# Allegro board 1155000-zp-dic_pda_8ch_board_v002.brd (continued)
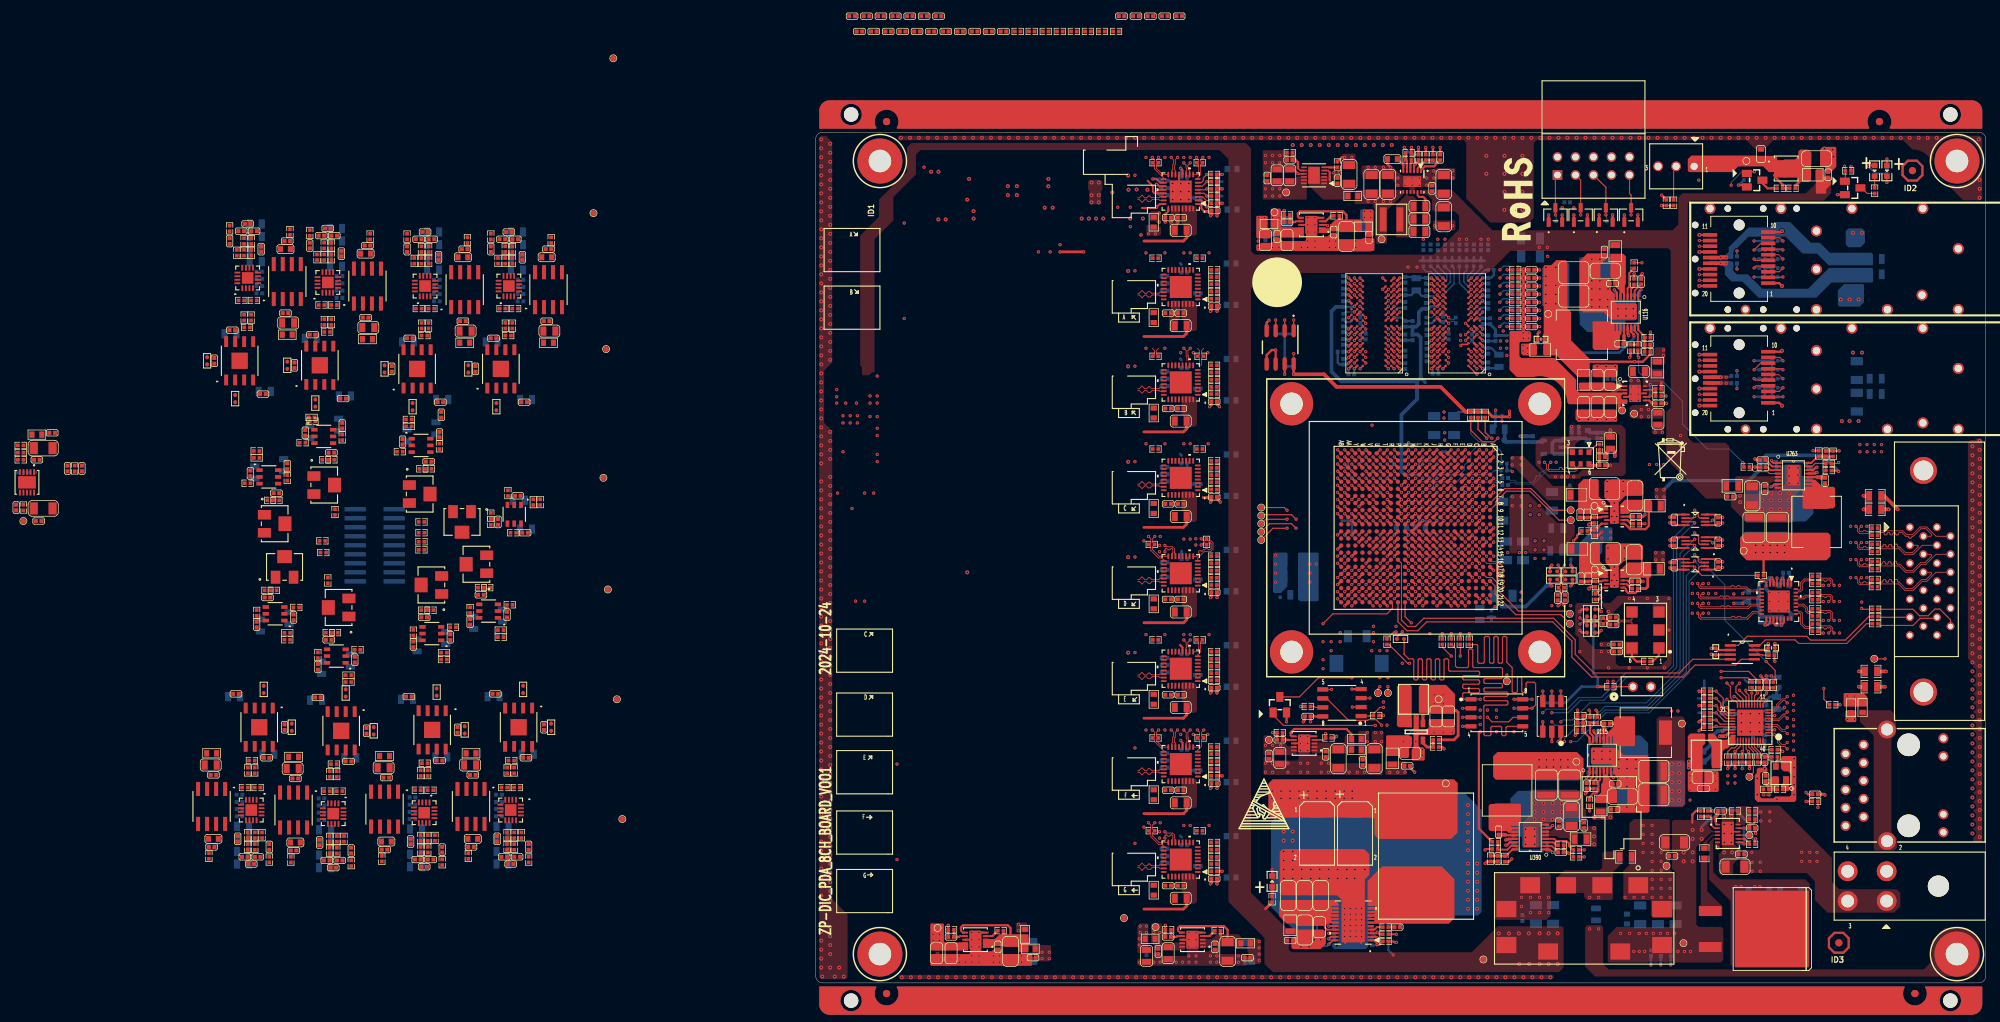
[diagram p0: board, top side]
## Routing (per net, layer and track width the routed paths; a pad name or vN(x,y) marks a point on that pad's centre or on a via; arc(x,y) is an arc through that point) (continued)
  BOTTOM w0.356: v1(137.33,57.1) 137.33,57.75 C2472.1
  BOTTOM w0.381: v1(91.6,66.19) 91.1,66.7 C438.2 ; v1(88.6,72.19) 89.07,72.66 C2482.2 ; v1(86.6,67.19) 87.07,67.66 C495.2 ; v1(136.62,38.86) 136.4,38.65 C841.2 ; v2(133.06,35.43) 133.55,34.94 C842.2 ; R2253.1 136.4,70.91 ; R3193.1 101.51,19.65 ; R1064.1 109.95,31.37 109.82,31.5 ; R3196.1 102.42,21.27 ; R1070.1 115.16,95.35 ; 52.88,29.97 C3346.1 ; v1(90.6,73.19) 90.14,72.72 C430.2 ; v2(52.62,110.49) 52.88,110.74 C3361.1 ; v1(94.6,67.19) 94.1,66.69 C440.2 ; R1080.1 137.13,72.52 ; 52.88,70.36 C3275.1
  BOTTOM w0.508: C2487.1 v1(107.62,78.49) ; C2488.2 C2489.1 v1(99.36,77.11) ; v1(134.54,55.07) 134.03,55.58 C2469.1 ; v1(137.33,57.1) 137.33,56.15 C2467.2 ; C2486.2 v1(106.6,78.49) ; v1(137.08,52.53) 137.53,52.08 C2468.2 ; C2473.1 133.54,50.86 v1(133.9,50.5) 134.27,50.86 C2470.1 ; C2485.1 v1(110.87,76.82)
  vias: v1(2.97,82.68) v1(2.97,81.79) v1(3.09,69.09) v1(3.86,80.01) v1(3.86,78.99) v1(3.86,74.93) v1(4.24,81.79) v1(4.87,80.01) v1(4.87,78.99) v1(5.13,66.93) v1(5.89,80.01) v1(5.89,78.99) v1(7.67,82.8) v1(7.67,81.79) v1(7.67,79.88) v1(8.68,85.6) v1(8.68,82.8) v1(8.68,81.79) v1(8.68,79.88) v1(8.68,78.23) v1(8.68,77.22) v1(8.68,74.55) v1(8.68,73.53) v1(15.29,115.06) v1(18.08,3.81) v1(18.08,2.92) v1(20.24,3.81) v1(20.24,2.92) v1(21.13,2.92) v1(22.02,7.11) v1(22.02,5.08) v1(22.02,3.81) v1(22.02,2.92) v1(23.03,6.1) v1(23.03,5.08) v1(23.03,3.81) v1(23.03,2.92) v1(25.07,3.81) v1(25.07,2.92) v1(25.95,3.81) v1(25.95,2.92) v1(29,3.81) v1(29,2.92) v1(33.07,103.12) v1(34.46,104.14) v1(44.37,109.42) v1(44.37,106.68) v1(45.64,2.92) v1(46.27,62.36) v1(46.27,21.97) v1(46.58,116.45) v1(46.58,102.98) v1(46.58,89.52) v1(46.58,76.06) v1(46.58,49.14) v1(46.58,35.67) v1(47.67,2.92) v1(48.49,61.71) v1(48.49,60.82) v1(48.49,21.32) v1(48.49,20.43) v1(48.56,2.92) v1(48.59,62.98) v1(48.59,22.59) v1(49.25,116.45) v1(49.25,102.98) v1(49.25,89.52) v1(49.25,76.06) v1(49.25,49.14) v1(49.25,35.67) v1(50.85,2.92) v1(51.08,107.32) v1(51.48,88.9) v1(51.48,35.05) v1(51.74,2.92) v1(51.91,116.45) v1(51.91,102.98) v1(51.91,76.06) v1(51.91,62.6) v1(51.91,49.14) v1(51.91,22.21) v1(52.62,7.11) v1(52.62,5.08) v1(52.62,3.81) v1(52.62,2.92) v1(52.82,116.45) v1(52.82,102.98) v1(52.82,76.06) v1(52.82,62.6) v1(52.82,49.14) v1(52.82,22.21) v1(53.26,88.9) v1(53.26,35.05) v1(53.61,62.66) v1(53.61,61.77) v1(53.64,6.1) v1(53.64,5.08) v1(53.64,3.81) v1(53.64,2.92) v1(55.29,88.9) v1(55.36,76.06) v1(55.29,35.05) v1(55.48,116.45) v1(55.48,102.98) v1(55.48,49.14) v1(55.48,22.21) v1(55.67,3.81) v1(55.67,2.92) v1(56.56,3.81) v1(56.56,2.92) v1(59.61,3.81) v1(59.61,2.92) v1(62.4,104.65) v1(62.4,103.76) v1(63.42,116.71) v1(63.42,115.7) v1(63.42,30.99) v1(63.42,29.72) v1(64.44,116.71) v1(64.44,115.7) v1(64.44,103.76) v1(64.44,30.99) v1(64.44,29.72) v1(64.86,60.33) v1(64.86,59.06) v1(64.86,57.79) v1(64.86,56.52) v1(65.32,103.76) v1(65.45,116.71) v1(65.45,115.7) v1(66.59,30.99) v1(66.59,29.72) v1(68.37,34.8) v1(68.37,32.77) v1(68.37,30.99) v1(68.37,29.72) v1(68.5,103.76) v1(69.39,107.95) v1(69.39,105.92) v1(69.39,104.65) v1(69.39,103.76) v1(69.39,33.78) v1(69.39,32.77) v1(69.39,30.99) v1(69.39,29.72) v1(70.4,106.93) v1(70.4,105.92) v1(70.4,104.65) v1(70.4,103.76) v1(71.29,30.99) v1(71.29,29.72) v1(72.31,30.99) v1(72.31,29.72) v1(72.44,104.65) v1(72.44,103.76) v1(73.07,114.3) v1(73.33,104.65) v1(73.33,103.76) v1(73.83,114.3) v1(74.6,10.48) v1(74.6,9.69) v1(74.6,8.9) v1(74.6,8.11) v1(74.6,7.33) v1(74.6,6.54) v1(75.23,29.72) v1(75.39,10.48) v1(75.39,9.69) v1(75.39,8.9) v1(75.39,8.11) v1(75.39,7.33) v1(75.39,6.54) v1(75.61,116.46) v1(76.12,104.65) v1(76.12,103.76) v1(76.18,10.48) v1(76.18,9.69) v1(76.18,8.9) v1(76.18,8.12) v1(76.18,7.33) v1(76.18,6.54) v1(76.37,29.72) v1(76.97,10.48) v1(76.97,9.69) v1(76.97,8.9) v1(76.97,7.33) v1(77.39,29.72) v1(77.56,89.04) v1(77.9,115.06) v1(78.46,78.66) v1(78.66,49.4) v1(78.66,48.13) v1(78.91,115.06) v1(79.55,46.86) v1(79.55,43.05) v1(80.06,115.06) v1(80.06,39.62) v1(80.56,46.86) v1(80.56,36.35) v1(80.69,43.05) v1(81.83,50.29) v1(82.09,113.54) v1(82.09,112.52) v1(82.72,45.09) v1(83.1,113.54) v1(83.1,112.52) v1(83.53,100.97) v1(84.12,113.54) v1(84.12,112.52) v1(84.63,35.31) v1(84.63,34.04) v1(84.8,100.97) v1(85.14,113.54) v1(85.14,112.52) v1(85.56,32.89) v1(85.56,32.13) v1(85.69,104.9) v1(86.15,113.54) v1(86.15,112.52) v1(87.17,114.55) v1(87.17,113.54) v1(87.22,35.31) v1(87.3,106.81) v1(87.72,104.9) v1(88.49,35.31) v1(88.6,80.53) v1(88.59,79.68) v1(88.74,104.9) v1(89.25,89.04) v1(89.76,35.31) v1(89.84,114.55) v1(89.84,113.54) v1(89.84,106.81) v1(90.77,104.9) v1(90.94,91.38) v1(90.94,90.63) v1(91.79,104.9) v1(93.82,104.9) v1(94.6,71.19) v1(94.73,38.48) v1(94.84,104.9) v1(96.57,90.55) v1(96.69,60.71) v1(96.95,58.17) v1(96.95,55.88) v1(97.58,60.71) v1(99.23,60.71) v1(99.44,53.98) v1(99.49,55.12) v1(99.53,12.07) v1(99.53,10.8) v1(100.12,60.71) v1(100.8,12.07) v1(100.8,9.91) v1(102.03,103.76) v1(102,73.44) v1(102.07,12.07) v1(102.07,9.91) v1(103.17,103.76) v1(103.22,102.49) v1(103.34,12.07) v1(103.34,9.91) v1(103.81,53.21) v1(104.31,71.37) v1(104.42,73.44) v1(105.27,109.35) v1(105.2,71.37) v1(106.01,71.39) v1(106.47,53.21) v1(106.9,71.39) v1(107.74,46.74) v1(110.79,46.74) v1(111.68,42.55) v1(111.79,52.39) v1(111.81,46.74) v1(111.81,44.45) v1(114.73,54.23) v1(114.73,44.45) v1(114.98,84.96) v1(114.98,84.07) v1(114.98,82.17) v1(116,84.96) v1(116,84.07) v1(116,82.17) v1(117.27,54.23) v1(117.27,44.45) v1(118.39,77.68) v1(119.4,77.68) v1(119.68,44.45) v1(120.32,54.23) v1(120.32,49.78) v1(120.32,46.74) v1(123.62,56.34) v1(123.62,54.94) v1(123.62,53.54) v1(123.62,52.15) v1(124.53,113.23) v1(125.9,56.34) v1(125.9,54.94) v1(125.9,53.54) v1(125.9,52.15) v1(126.84,29.59) v1(126.84,28.45) v1(126.84,27.31) v1(129.25,42.29) v1(134.54,53.8) v1(134.54,52.53) v1(135.81,55.07) v1(135.81,53.8) v1(135.81,52.53) v1(137.08,55.07) v1(137.08,53.8) v1(137.89,40.58) v1(137.89,39.31) v1(137.89,38.42) v1(137.89,37.15) v1(137.89,36.26) v1(137.89,34.99) v1(137.89,34.1) v1(137.89,32.83) v1(142.08,56.08) v1(142.08,53.8) v1(142.08,51.13) v1(142.08,49.35) v1(144.37,56.08) v1(144.37,53.8) v1(144.37,51.13) v1(144.37,49.35) v1(145.46,40.47) v1(145.93,64.41) v1(145.93,62.12) v1(145.93,59.71) v1(145.93,57.17) v1(146.48,40.47) v1(147.49,53.72) v1(148.22,64.41) v1(148.22,62.12) v1(148.22,59.71) v1(148.22,57.17) v2(0.79,119) v2(0.79,117.73) v2(0.79,116.46) v2(0.79,115.19) v2(0.79,113.92) v2(0.79,112.65) v2(0.79,111.38) v2(0.79,110.11) v2(0.79,108.84) v2(0.79,107.57) v2(0.79,106.3) v2(0.79,105.03) v2(0.79,103.76) v2(0.79,102.49) v2(0.79,101.22) v2(0.79,99.95) v2(0.79,98.68) v2(0.79,97.41) v2(0.79,96.14) v2(0.79,94.87) v2(0.79,93.6) v2(0.79,92.33) v2(0.79,91.06) v2(0.79,89.79) v2(0.79,88.52) v2(0.79,87.25) v2(0.79,85.98) v2(0.79,84.71) v2(0.79,83.44) v2(0.79,82.17) v2(0.79,80.9) v2(0.79,79.63) v2(0.79,78.36) v2(0.79,77.09) v2(0.79,75.82) v2(0.79,74.55) v2(0.79,73.28) v2(0.79,70.74) v2(0.79,69.47) v2(0.79,68.2) v2(0.79,66.93) v2(0.79,65.66) v2(0.79,64.39) v2(0.79,63.12) v2(0.79,61.85) v2(0.79,60.58) v2(0.79,59.31) v2(0.79,58.04) v2(0.79,56.77) v2(0.79,55.5) v2(0.79,54.23) v2(0.79,52.96) v2(0.79,51.69) v2(0.79,50.42) v2(0.79,49.15) v2(0.79,47.88) v2(0.79,46.61) v2(0.79,45.34) v2(0.79,44.07) v2(0.79,42.8) v2(0.79,41.53) v2(0.79,40.26) v2(0.79,38.99) v2(0.79,37.72) v2(0.79,36.45) v2(0.79,35.18) v2(0.79,33.91) v2(0.79,32.64) v2(0.79,31.37) v2(0.79,30.1) v2(0.79,28.83) v2(0.79,27.56) v2(0.79,26.29) v2(0.79,25.02) v2(0.79,23.75) v2(0.79,22.48) v2(0.79,21.21) v2(0.79,19.94) v2(0.79,18.67) v2(0.79,17.4) v2(0.79,16.13) v2(0.79,14.86) v2(0.79,13.59) v2(0.79,12.32) v2(0.79,11.05) v2(0.79,7.24) v2(0.79,5.97) v2(0.79,4.7) v2(0.79,3.43) v2(0.79,2.16) v2(0.94,0.89) v2(2.06,118.36) v2(2.06,117.09) v2(2.06,115.82) v2(2.06,114.55) v2(2.06,113.28) v2(2.06,112.01) v2(2.06,110.74) v2(2.06,109.47) v2(2.06,108.2) v2(2.06,106.93) v2(2.06,105.66) v2(2.06,104.39) v2(2.06,103.12) v2(2.06,101.85) v2(2.06,100.58) v2(2.06,99.31) v2(2.06,98.04) v2(2.06,96.77) v2(2.06,95.5) v2(2.06,94.23) v2(2.06,92.96) v2(2.06,91.69) v2(2.06,90.42) v2(2.06,89.15) v2(2.06,87.88) v2(2.06,77.72) v2(2.06,76.45) v2(2.06,75.18) v2(2.06,73.91) v2(2.06,71.37) v2(2.06,70.1) v2(2.06,68.83) v2(2.06,67.56) v2(2.06,66.29) v2(2.06,65.02) v2(2.06,63.75) v2(2.06,62.48) v2(2.06,61.21) v2(2.06,59.94) v2(2.06,58.67) v2(2.06,57.4) v2(2.06,56.13) v2(2.06,54.86) v2(2.06,53.59) v2(2.06,52.32) v2(2.06,51.05) v2(2.06,49.78) v2(2.06,48.51) v2(2.06,47.24) v2(2.06,45.97) v2(2.06,44.7) v2(2.06,43.43) v2(2.06,42.16) v2(2.06,40.89) v2(2.06,39.62) v2(2.06,38.35) v2(2.06,37.08) v2(2.06,35.81) v2(2.06,34.54) v2(2.06,33.27) v2(2.06,32) v2(2.06,30.73) v2(2.06,29.46) v2(2.06,28.19) v2(2.06,26.92) v2(2.06,25.65) v2(2.06,24.38) v2(2.06,23.11) v2(2.06,21.84) v2(2.06,20.57) v2(2.06,19.3) v2(2.06,18.03) v2(2.06,16.76) v2(2.06,15.49) v2(2.06,14.22) v2(2.06,12.95) v2(2.06,11.68) v2(2.06,7.87) v2(2.06,6.6) v2(2.06,5.33) v2(2.06,4.06) v2(2.06,2.16) v2(2.69,0.89) v2(3.33,2.16) v2(3.96,0.89) v2(12.03,119.21) v2(12.16,0.79) v2(13.3,119.21) v2(13.43,0.79) v2(14.57,119.21) v2(14.7,0.79) v2(15.84,119.21) v2(15.97,0.79) v2(17.11,119.21) v2(17.24,0.79) v2(17.32,114.43) v2(18.33,107.7) v2(18.38,119.21) v2(18.51,0.79) v2(19.65,119.21) v2(19.78,0.79) v2(20.92,119.21) v2(21.05,0.79) v2(21.38,110.49) v2(21.38,57.91) v2(21.64,113.41) v2(22.19,119.21) v2(22.27,107.82) v2(22.32,0.79) v2(23.46,119.21) v2(23.59,0.79) v2(24.73,119.21) v2(24.86,0.79) v2(26,119.21) v2(26.13,0.79) v2(27.1,112.4) v2(27.1,111.13) v2(27.27,119.21) v2(27.4,0.79) v2(28.37,112.4) v2(28.37,111.13) v2(28.54,119.21) v2(28.67,0.79) v2(29.81,119.21) v2(29.94,0.79) v2(31.08,119.21) v2(31.21,0.79) v2(32.35,119.21) v2(32.3,109.35) v2(32.48,0.79) v2(32.81,113.41) v2(33.43,109.35) v2(33.62,119.21) v2(33.75,0.79) v2(34.89,119.21) v2(35.02,0.79) v2(36.16,119.21) v2(36.29,0.79) v2(37.43,119.21) v2(37.51,107.82) v2(37.56,0.79) v2(38.53,107.82) v2(38.7,119.21) v2(38.83,0.79) v2(38.91,112.9) v2(38.91,111.13) v2(38.91,110.11) v2(39.54,107.82) v2(39.97,119.21) v2(39.92,112.9) v2(39.92,111.13) v2(39.92,110.11) v2(40.1,0.79) v2(40.56,107.82) v2(41.24,119.21) v2(41.37,0.79) v2(41.83,111.51) v2(42.51,119.21) v2(42.64,0.79) v2(43.78,119.21) v2(43.91,0.79) v2(44.07,113.89) v2(44.07,100.43) v2(44.07,86.97) v2(44.07,73.51) v2(44.07,60.05) v2(44.07,46.58) v2(45.05,119.21) v2(45.26,111.93) v2(45.18,0.79) v2(46.32,119.21) v2(46.45,0.79) v2(47.59,119.21) v2(47.72,0.79) v2(48.86,119.21) v2(48.99,0.79) v2(50.13,119.21) v2(50.26,0.79) v2(51.4,119.21) v2(51.48,111.63) v2(51.48,110.49) v2(51.53,0.79) v2(52.67,119.21) v2(52.62,111.63) v2(52.8,0.79) v2(53.94,119.21) v2(54.07,0.79) v2(55.21,119.21) v2(55.34,0.79) v2(56.48,119.21) v2(56.61,0.79) v2(57.75,119.21) v2(57.88,0.79) v2(59.02,119.21) v2(59.15,0.79) v2(60.29,119.21) v2(60.42,0.79) v2(61.56,119.21) v2(61.69,0.79) v2(62.83,119.21) v2(62.96,0.79) v2(64.1,119.21) v2(64.23,0.79) v2(65.37,119.21) v2(65.5,0.79) v2(66.01,21.34) v2(66.01,20.07) v2(66.01,18.54) v2(66.01,17.27) v2(66.01,16) v2(66.01,14.73) v2(66.64,119.21) v2(66.77,0.79) v2(67.27,118.2) v2(67.28,21.34) v2(67.28,20.07) v2(67.28,18.54) v2(67.28,17.27) v2(67.28,16) v2(67.28,14.73) v2(67.91,119.21) v2(68.04,0.79) v2(68.42,5.08) v2(68.54,118.2) v2(68.55,16) v2(68.55,14.73) v2(69.18,119.21) v2(69.31,0.79) v2(69.56,5.08) v2(69.81,118.2) v2(69.82,16) v2(69.82,14.73) v2(70.45,119.21) v2(70.58,0.79) v2(71.08,118.2) v2(71.09,16) v2(71.09,14.73) v2(71.21,6.1) v2(71.72,119.21) v2(71.85,0.79) v2(72.35,118.2) v2(72.36,16) v2(72.36,14.73) v2(72.99,119.21) v2(73.12,0.79) v2(73.62,118.2) v2(73.63,16) v2(73.63,14.73) v2(74.26,119.21) v2(74.39,0.79) v2(74.89,118.2) v2(74.9,16) v2(74.9,14.73) v2(75.53,119.21) v2(75.66,0.79) v2(76.04,16) v2(75.99,14.73) v2(76.16,118.2) v2(76.8,119.21) v2(76.93,0.79) v2(77.43,118.2) v2(77.44,16) v2(78.07,119.21) v2(78.2,0.79) v2(78.7,118.2) v2(79.34,119.21) v2(79.47,0.79) v2(79.97,118.2) v2(80.61,119.21) v2(80.74,0.79) v2(81.24,118.2) v2(81.88,119.21) v2(82.01,0.79) v2(83.15,119.21) v2(83.28,0.79) v2(84.42,119.21) v2(84.55,0.79) v2(85.69,119.21) v2(85.82,0.79) v2(86.96,119.21) v2(87.09,0.79) v2(88.23,119.21) v2(88.36,0.79) v2(89.5,119.21) v2(89.63,0.79) v2(90.77,119.21) v2(90.9,0.79) v2(92.04,119.21) v2(91.99,25.07) v2(91.99,23.8) v2(91.99,22.53) v2(91.99,21.26) v2(91.99,19.99) v2(91.99,18.72) v2(91.99,16.81) v2(91.99,15.54) v2(91.99,14.27) v2(91.99,13) v2(91.99,11.73) v2(91.99,10.46) v2(92.17,0.79) v2(93.26,16.81) v2(93.26,15.54) v2(93.26,14.27) v2(93.26,13) v2(93.26,11.73) v2(93.26,10.46) v2(93.31,119.21) v2(93.44,0.79) v2(94.58,119.21) v2(94.58,116.67) v2(94.58,114.13) v2(94.71,0.79) v2(95.85,119.21) v2(95.98,0.79) v2(97.12,119.21) v2(97.12,116.67) v2(97.12,114.13) v2(97.12,111.59) v2(97.12,109.05) v2(97.25,0.79) v2(98.39,119.21) v2(98.52,0.79) v2(99.66,119.21) v2(99.66,116.67) v2(99.66,114.13) v2(99.66,111.59) v2(99.66,109.05) v2(99.79,0.79) v2(100.11,21.69) v2(100.11,20.54) v2(100.11,19.53) v2(100.93,119.21) v2(101.06,0.79) v2(101.38,25.37) v2(101.38,24.1) v2(101.38,23.08) v2(101.38,21.69) v2(101.38,20.67) v2(101.38,19.53) v2(102.2,119.21) v2(102.33,0.79) v2(102.65,25.37) v2(102.65,24.1) v2(102.65,23.08) v2(103.47,119.21) v2(103.6,0.79) v2(103.92,25.37) v2(103.92,24.1) v2(103.92,23.08) v2(104.74,119.21) v2(105.19,25.37) v2(105.19,24.1) v2(106.01,119.21) v2(107.28,119.21) v2(107.66,79.48) v2(108.55,119.21) v2(108.93,79.48) v2(109.44,102.08) v2(109.44,99.03) v2(109.44,97.89) v2(109.44,96.37) v2(109.44,95.35) v2(109.73,32.69) v2(109.73,31.54) v2(109.82,119.21) v2(110.2,86.97) v2(110.2,79.48) v2(110.54,95.38) v2(110.58,102.08) v2(110.58,99.03) v2(110.58,97.89) v2(110.58,96.37) v2(110.87,32.69) v2(110.87,31.54) v2(111.09,119.21) v2(111.47,79.48) v2(111.6,70.74) v2(111.6,69.34) v2(111.73,97.89) v2(111.68,96.39) v2(111.68,95.38) v2(111.73,61.34) v2(111.73,59.82) v2(112.01,32.69) v2(112.01,31.54) v2(112.26,65.79) v2(112.26,56.77) v2(112.36,119.21) v2(112.62,67.69) v2(112.59,66.55) v2(112.62,65.02) v2(112.62,58.67) v2(112.59,57.53) v2(112.62,56.01) v2(112.74,86.97) v2(112.74,79.48) v2(112.95,65.79) v2(112.95,56.77) v2(113.12,95.1) v2(113.12,94.08) v2(113.25,31.5) v2(113.25,30.23) v2(113.25,28.96) v2(113.63,119.21) v2(113.89,70.74) v2(113.89,69.34) v2(114.01,61.34) v2(114.01,59.82) v2(114.27,95.1) v2(114.27,94.08) v2(114.39,31.5) v2(114.39,30.23) v2(114.39,28.96) v2(114.39,27.69) v2(114.39,24.81) v2(114.9,119.21) v2(115.28,95.1) v2(115.28,94.08) v2(115.66,31.5) v2(115.66,30.23) v2(115.66,28.96) v2(115.66,27.69) v2(115.66,24.81) v2(116.17,119.21) v2(117.44,119.21) v2(118.71,119.21) v2(119.98,119.21) v2(121.25,119.21) v2(122.52,119.21) v2(123.79,119.21) v2(125.06,119.21) v2(126.33,119.21) v2(127.6,119.21) v2(128.87,119.21) v2(130.14,119.21) v2(130.35,68.71) v2(130.35,67.82) v2(130.52,36.7) v2(130.52,35.43) v2(131.41,119.21) v2(131.79,37.97) v2(131.79,36.7) v2(131.79,35.43) v2(132.68,119.21) v2(132.76,28.83) v2(132.76,26.54) v2(133.45,68.08) v2(133.45,66.81) v2(133.95,119.21) v2(134.72,69.09) v2(134.72,68.08) v2(134.72,66.81) v2(135.22,119.21) v2(135.56,25.91) v2(135.99,69.09) v2(135.99,68.08) v2(135.99,66.81) v2(136.49,119.21) v2(137.26,72.65) v2(137.26,71.5) v2(137.26,70.49) v2(137.26,69.09) v2(137.26,68.08) v2(137.26,66.81) v2(137.76,119.21) v2(137.97,31.62) v2(137.97,30.35) v2(137.97,29.08) v2(137.97,27.94) v2(137.97,26.54) v2(138.53,72.65) v2(138.53,71.63) v2(138.53,70.49) v2(139.03,119.21) v2(140.3,119.21) v2(141.57,119.21) v2(142.26,117.68) v2(142.84,119.21) v2(143.4,117.55) v2(143.53,116.54) v2(144.11,119.21) v2(144.52,96.4) v2(144.7,79.25) v2(145.38,119.21) v2(145.79,96.4) v2(145.79,79.26) v2(146.27,105.79) v2(146.27,88.91) v2(146.65,119.21) v2(147.06,96.4) v2(147.06,79.26) v2(147.54,105.79) v2(147.54,88.91) v2(147.92,119.21) v2(149.19,119.21) v2(150.46,119.21) v2(151.73,119.21) v2(153,119.21) v2(154.27,119.21) v2(155.54,119.21) v2(156.81,119.21) v2(158.08,119.21) v2(163.11,75.69) v2(163.11,74.42) v2(163.11,73.15) v2(163.11,71.88) v2(163.11,70.61) v2(163.11,69.34) v2(163.11,68.07) v2(163.11,66.8) v2(163.11,65.53) v2(163.11,64.26) v2(163.11,62.99) v2(163.11,61.72) v2(163.11,60.45) v2(163.11,59.18) v2(163.11,57.91) v2(163.11,56.64) v2(163.11,55.37) v2(163.11,54.1) v2(163.11,52.83) v2(163.11,51.56) v2(163.11,50.29) v2(163.11,49.02) v2(163.11,47.75) v2(163.11,46.48) v2(163.11,45.21) v2(163.11,43.94) v2(163.11,42.67) v2(163.11,41.4) v2(163.11,40.13) v2(163.11,38.86) v2(163.11,37.59) v2(163.11,36.32) v2(163.11,35.05) v2(163.11,33.78) v2(163.11,32.51) v2(163.11,31.24) v2(163.11,29.97) v2(163.11,28.7) v2(163.11,27.43) v2(163.11,26.16) v2(163.11,24.89) v2(163.11,23.62) v2(163.11,22.35) v2(163.11,21.08) v2(164,119) v2(164.13,113.28) v2(164.13,112.01) v2(164.13,110.74) v2(164.13,76.45) v2(164.13,75.18) v2(164.13,73.91) v2(164.13,72.64) v2(164.13,71.37) v2(164.13,70.1) v2(164.13,68.83) v2(164.13,67.56) v2(164.13,66.29) v2(164.13,65.02) v2(164.13,63.75) v2(164.13,62.48) v2(164.13,61.21) v2(164.13,59.94) v2(164.13,58.67) v2(164.13,57.4) v2(164.13,56.13) v2(164.13,54.86) v2(164.13,53.59) v2(164.13,52.32) v2(164.13,51.05) v2(164.13,49.78) v2(164.13,48.51) v2(164.13,47.24) v2(164.13,45.97) v2(164.13,44.7) v2(164.13,43.43) v2(164.13,42.16) v2(164.13,40.89) v2(164.13,39.62) v2(164.13,38.35) v2(164.13,37.08) v2(164.13,35.81) v2(164.13,34.54) v2(164.13,33.27) v2(164.13,32) v2(164.13,30.73) v2(164.13,29.46) v2(164.13,28.19) v2(164.13,26.92) v2(164.13,25.65) v2(164.13,24.38) v2(164.13,23.11) v2(164.13,21.84) v2(164.13,20.57)
GND_EARTH:
  vias: v1(109.14,7.62) v1(110.41,7.62)
VCC1V5: length 34.5
  TOP w0.305: C1192.2 R1072.2 117.68,88.68 116.63,87.63 v1(115.49,87.63) 108.63,87.63 ; 102.79,91.44 102.75,91.4 C1186.1 ; C1186.1 102.75,90.34 102.92,90.17 ; C1186.1 103.42,90.81 ; v1(115.38,91.29) 115.38,91.45 114.99,91.84 U116.14
  BOTTOM w0.381: v1(115.38,91.29) 115.38,90.95 113.33,88.9 103.34,88.9 102.96,89.28 v2(102.96,95.86)
  vias: v2(102.96,100.94) v2(102.96,99.67) v2(102.96,98.4) v2(102.96,97.13) v2(104.36,100.94) v2(104.36,98.4) v2(104.36,97.13) v2(104.36,95.78)
VCC1V5_FPGA: length 72.6
  TOP w0.305: U76.A1 v1(94.05,86.64) ; U1.W13 v1(76.6,62.19) ; U76.C1 v1(94.05,88.24) ; U1.W3 v1(76.6,73.19) ; U1.Y10 v1(75.6,66.19) ; U75.R9 v1(75.16,98.64) ; U1.T2 v1(79.6,74.19) ; U75.H9 v1(75.16,92.24) ; U75.C1 v1(82.36,88.24) ; U76.B2 v1(93.25,87.44) ; U75.K2 v1(81.56,94.64) ; U1.U9 v1(78.6,67.19) ; U76.H2 v1(93.25,92.24) ; U75.N9 v1(75.16,97.04) ; U75.N1 v1(82.36,97.04) ; U75.G7 v1(76.76,91.44) ; U76.D2 v1(93.25,89.04) ; U75.F1 v1(82.36,90.64) ; U76.E9 v1(86.85,89.84) ; U76.K2 v1(93.25,94.64) ; U76.R1 v1(94.05,98.64) ; U1.R5 v1(80.6,71.19) ; U1.M4 v1(84.6,72.19) ; U1.N1 v1(83.6,75.19) ; U76.G7 v1(88.45,91.44) ; U76.K8 v1(88.45,94.64) ; U76.F1 v1(94.05,90.64) ; U75.C9 v1(75.16,88.24) ; U75.A1 v1(82.36,86.64) ; U1.AA7 v1(74.6,69.19) ; U75.R1 v1(82.36,98.64) ; U76.D9 v1(86.85,89.04) ; U75.A8 v1(75.96,86.64) ; U75.K8 v1(76.76,94.64) ; U1.V6 v1(77.6,70.19) ; U75.D2 v1(81.56,89.04) ; U76.N9 v1(87.65,96.24) ; U75.B2 v1(81.56,87.44) ; U76.H9 v1(86.85,92.24) ; U1.AB4 v1(73.6,72.19) ; U76.C9 v1(86.85,88.24) ; U75.H2 v1(81.56,92.24) ; U76.N1 v1(94.05,97.04) ; U75.D9 v1(75.16,89.04) ; U76.A8 v1(87.65,86.64) ; U76.R9 v1(86.85,98.64) ; U75.E9 v1(75.16,89.84) ; U1.T12 v1(79.6,63.19)
  BOTTOM w0.254: C516.1 85.07,73.34 85.42,73.69 87.09,73.69 R2142.1
  BOTTOM w0.305: v1(76.6,73.19) 77.11,73.69 C511.1 ; C565.1 94.69,95.25 93.86,95.25 v1(93.25,94.64) ; C515.1 84.07,74.72 v1(83.6,75.19) ; C559.1 86.6,88.49 v1(86.85,88.24) ; C514.1 80.6,71.22 v1(80.6,71.19) 80.11,70.7 R2140.1 ; v1(94.05,90.64) 94.16,90.53 C572.1 C544.1 ; v1(88.45,91.44) 88.45,91.35 89.01,90.79 C557.1 ; v1(75.16,97.04) 75.07,97.14 C533.1 ; v1(75.16,92.24) 74.8,92.6 C532.1 ; v1(75.16,88.24) 74.95,88.03 C535.1 ; v1(82.36,98.64) 82.51,98.79 C543.1 ; C508.1 80.1,73.7 v1(79.6,74.19) ; v1(84.6,72.19) 85.07,72.66 C516.1 ; C531.1 82.16,95.23 v1(81.56,94.64) ; C567.1 92.55,91.55 v1(93.25,92.24) ; C556.1 88.49,94.6 v1(88.45,94.64) ; C540.1 82.5,88.37 v1(82.36,88.24) ; v1(75.16,98.64) 74.89,98.91 C538.1 ; v1(94.05,86.64) 94.13,86.72 C568.1 96.18,86.72 C566.1 ; C534.1 77.33,90.79 76.76,91.35 v1(76.76,91.44) ; C510.1 78.1,69.7 v1(77.6,70.19) ; v1(87.65,96.24) 87,96.88 C570.1 85.5,96.88 C250.1 83.98,97.01 C542.1 83.12,97.04 v1(82.36,97.04) ; C560.1 86.47,89.46 v1(86.85,89.84) ; v1(75.16,89.84) 74.98,90.02 C536.1 ; C569.1 94.56,88.75 v1(94.05,88.24) ; v1(94.05,98.64) 94.07,98.66 C564.1 ; v1(82.36,86.64) 82.41,86.59 C539.1 ; v1(87.65,86.64) 87.8,86.49 C558.1 ; v1(76.76,94.64) 76.8,94.6 C528.1 ; C529.1 75.15,89.03 v1(75.16,89.04) ; v1(94.05,97.04) 94.2,96.88 C562.1 ; C571.1 86.2,98.53 86.74,98.53 v1(86.85,98.64) ; v1(86.85,92.24) 86.78,92.17 C561.1 ; C530.1 75.93,86.61 v1(75.96,86.64)
  BOTTOM w0.381: C187.1 C541.1 82.38,90.66 v1(82.36,90.64)
  vias: v1(88.69,77.6) v1(88.69,76.58) v1(99.74,89.92) v1(99.74,89.15) v1(100.38,89.54) v1(100.38,88.77)
VCC1V5_PG: length 25.7
  TOP w0.152: R1077.1 130.89,73.25 v1(130.73,73.41)
  TOP w0.254: R1075.1 115.92,88.37 v1(116.04,88.24)
  BOTTOM w0.152: v1(116.04,88.24) 116.04,86.19 117.32,84.91 119.37,84.91 122.22,82.06 122.22,78.84 125.75,75.31 128.82,75.31 v1(130.73,73.41)
VCC1V8: length 161.5
  TOP w0.254: U286.8 121.31,58.3 C3038.1 ; C3037.1 121.39,61.36 U49.8 ; U287.1 121.44,66.07 C3040.1
  TOP w0.305: U102.8 v1(98.47,40.01) ; C3040.1 v1(120.44,65.71) ; R2153.1 v1(68.37,38.99) ; D4.2 v1(112.38,108.33) ; R1112.1 110.33,63.1 v1(110.84,63.61) ; R1100.1 110.44,54.08 v1(110.71,54.36) ; C1180.2 R1057.2 v1(107.42,38.48) ; R1076.1 144.12,72.27 v1(144.24,72.14) ; C3037.1 v1(120.44,61.67) ; R1885.1 v1(85.01,117.86) ; U79.8 v1(67.4,85.85) ; D2.2 v1(105.27,108.33) ; R3188.1 93.52,21.78 93.52,35.24 v1(93.71,35.43) ; R1928.1 v1(119.29,111.12) ; U115.14 110.12,34.96 109.73,35.36 v1(109.73,35.56) ; R1074.1 114.9,88.37 v1(114.77,88.24) ; U273.8 C2494.1 v1(69.79,36.85) ; v1(135.26,45.34) 135.19,45.41 R2598.2 ; U154.3 127.63,46.31 127.59,46.27 C1492.1 126.37,46.27 v1(126.28,46.36) ; D3.2 v1(108.82,108.33) ; R1058.1 110.2,38.31 v1(110.03,38.48) ; R2152.1 v1(80.06,37.72) ; R395.1 v1(145.99,115.17) ; C3038.1 v1(120.44,58.53) ; D5.2 v1(115.93,108.33)
  TOP w0.381: v1(97.84,80.65) v1(97.84,79.86) 95.45,79.86 94.77,80.54 R338.2 R339.2 R337.2
  TOP w0.508: R337.2 91.67,80.54 88.13,84.07 73.45,84.07 71.67,85.85 v1(67.4,85.85)
  ART03 w0.381: v1(85.01,117.86) 87.17,115.7 89.71,115.7 95.55,109.86 103.74,109.86 v1(105.27,108.33)
  BOTTOM w0.305: R455.1 112.33,108.29 v1(112.38,108.33) ; R456.1 105.22,108.29 v1(105.27,108.33) ; v1(98.22,72.14) 98.09,72.26 R4.1 R42.1 ; R496.1 v1(93.71,40.01) ; R2239.2 124.38,40.13 ; R497.1 v1(93.71,37.47) ; C641.1 v1(98.47,40.01) ; R498.1 v1(98.47,38.74) ; R2247.2 131.35,42.44 130.98,42.8
  BOTTOM w0.381: R2238.2 124.51,38.1 ; R2238.2 R2234.2 R2233.2 ; R2238.2 R2237.2 R2239.2 R2232.2 125.3,42.64 ; R500.1 R501.1 ; R500.1 66.13,87.36 66.51,86.98 C642.1 v1(67.4,85.85) ; R500.1 R499.1
  BOTTOM w0.508: v1(119.6,69.57) 120.9,70.87 131.62,70.87 133.4,72.64 133.4,73.79 134.03,74.42 141.96,74.42 v1(144.24,72.14)
  vias: v1(93.71,38.48) v1(93.71,36.45) v1(96,38.48) v1(96,37.47) v1(96,35.43) v1(98.47,35.43) v1(106.92,109.35) v1(110.84,62.74) v1(112.11,63.61) v1(112.11,62.74) v1(118.46,60.68) v1(118.46,59.66) v1(118.58,69.57) v1(118.58,68.55) v1(119.47,60.68) v1(119.47,59.66) v1(119.6,68.55) v2(120.74,30.86) v2(120.74,29.59) v2(120.74,28.32) v2(120.74,27.05) v2(120.74,25.78) v2(121.76,30.86) v2(121.76,29.59) v2(121.76,28.32) v2(121.76,27.05) v2(121.76,25.78)
VCC1V8_A:
  vias: v1(63.42,33.53) v1(64.44,33.53) v1(65.58,33.53)
